# KiCad board first_keyboard.kicad_pcb (continued)
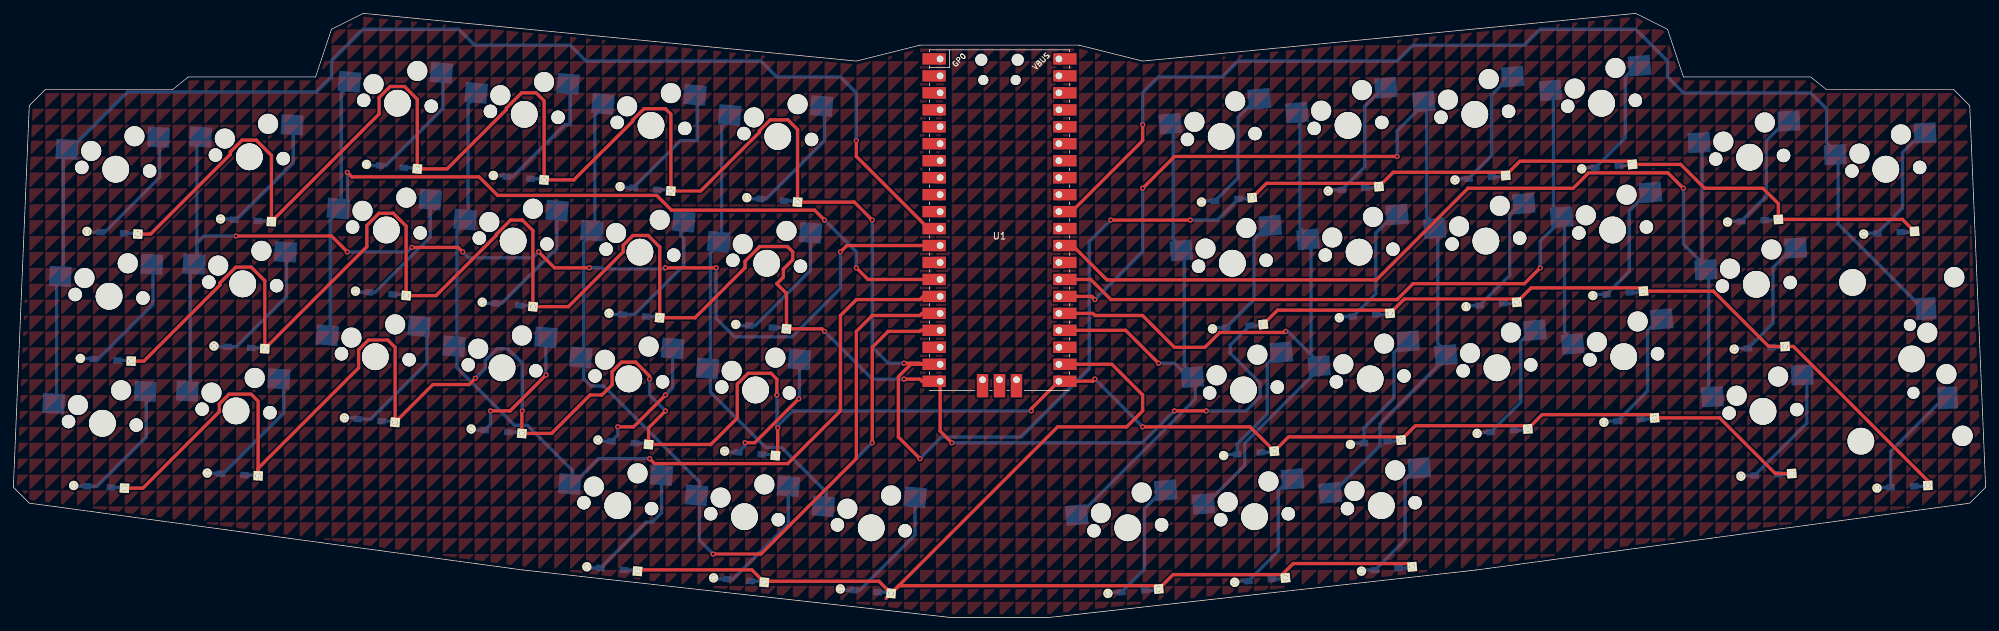
[diagram p0: board, top side]
## Copper pours and planes (outline as drawn; the poured copper is in the pictures) (continued)
(no net) on Top, Bottom: 300.04,33.34 300.04,30.96 302.42,33.34
(no net) on Top, Bottom: 61.91,147.64 61.91,145.26 64.29,147.64
(no net) on Top, Bottom: 52.39,-38.1 52.39,-40.48 54.77,-38.1
(no net) on Top, Bottom: 121.44,107.16 121.44,104.78 123.83,107.16
(no net) on Top, Bottom: 100.01,83.34 100.01,80.96 102.39,83.34
(no net) on Top, Bottom: 204.79,35.72 204.79,33.34 207.17,35.72
(no net) on Top, Bottom: 247.65,128.59 247.65,126.21 250.03,128.59
(no net) on Top, Bottom: 195.26,-16.67 195.26,-19.05 197.64,-16.67
(no net) on Top, Bottom: 9.53,-21.43 9.53,-23.81 11.91,-21.43
(no net) on Top, Bottom: 90.49,73.82 90.49,71.44 92.87,73.82
(no net) on Top, Bottom: 85.73,-14.29 85.73,-16.67 88.11,-14.29
(no net) on Top, Bottom: 211.93,42.86 211.93,40.48 214.31,42.86
(no net) on Top, Bottom: 250.03,104.78 250.03,102.39 252.41,104.78
(no net) on Top, Bottom: 35.72,128.59 35.72,126.21 38.1,128.59
(no net) on Top, Bottom: 2.38,42.86 2.38,40.48 4.76,42.86
(no net) on Top, Bottom: 207.17,92.87 207.17,90.49 209.55,92.87
(no net) on Top, Bottom: 202.41,59.53 202.41,57.15 204.79,59.53
(no net) on Top, Bottom: 154.78,142.88 154.78,140.49 157.16,142.88
(no net) on Top, Bottom: 197.64,14.29 197.64,11.91 200.02,14.29
(no net) on Top, Bottom: 2.38,-30.96 2.38,-33.34 4.76,-30.96
(no net) on Top, Bottom: 304.8,90.49 304.8,88.11 307.18,90.49
(no net) on Top, Bottom: 183.36,145.26 183.36,142.88 185.74,145.26
(no net) on Top, Bottom: 290.51,90.49 290.51,88.11 292.89,90.49
(no net) on Top, Bottom: 216.69,21.43 216.69,19.05 219.07,21.43
(no net) on Top, Bottom: 69.06,123.83 69.06,121.44 71.44,123.83
(no net) on Top, Bottom: 254.79,95.25 254.79,92.87 257.18,95.25
(no net) on Top, Bottom: 85.73,40.48 85.73,38.1 88.11,40.48
(no net) on Top, Bottom: 102.39,2.38 102.39,0 104.77,2.38
(no net) on Top, Bottom: 240.51,133.35 240.51,130.97 242.89,133.35
(no net) on Top, Bottom: 78.58,114.3 78.58,111.92 80.96,114.3
(no net) on Top, Bottom: 171.45,11.91 171.45,9.53 173.83,11.91
(no net) on Top, Bottom: 111.92,16.67 111.92,14.29 114.3,16.67
(no net) on Top, Bottom: 7.14,-2.38 7.14,-4.76 9.53,-2.38
(no net) on Top, Bottom: 38.1,138.11 38.1,135.73 40.48,138.11
(no net) on Top, Bottom: 130.97,138.11 130.97,135.73 133.35,138.11
(no net) on Top, Bottom: 76.2,47.62 76.2,45.24 78.58,47.62
(no net) on Top, Bottom: 78.58,104.78 78.58,102.39 80.96,104.78
(no net) on Top, Bottom: 159.54,2.38 159.54,0 161.93,2.38
(no net) on Top, Bottom: 83.34,123.83 83.34,121.44 85.73,123.83
(no net) on Top, Bottom: 230.98,73.82 230.98,71.44 233.36,73.82
(no net) on Top, Bottom: 297.66,-26.19 297.66,-28.57 300.04,-26.19
(no net) on Top, Bottom: 14.29,78.58 14.29,76.2 16.67,78.58
(no net) on Top, Bottom: 242.89,97.63 242.89,95.25 245.27,97.63
(no net) on Top, Bottom: 35.72,-23.81 35.72,-26.19 38.1,-23.81
(no net) on Top, Bottom: 302.42,121.44 302.42,119.06 304.8,121.44
(no net) on Top, Bottom: 121.44,4.76 121.44,2.38 123.83,4.76
(no net) on Top, Bottom: 64.29,78.58 64.29,76.2 66.67,78.58
(no net) on Top, Bottom: 97.63,-7.14 97.63,-9.53 100.01,-7.14
(no net) on Top, Bottom: 104.77,14.29 104.77,11.91 107.16,14.29
(no net) on Top, Bottom: 71.44,135.73 71.44,133.35 73.82,135.73
(no net) on Top, Bottom: 14.29,-23.81 14.29,-26.19 16.67,-23.81
(no net) on Top, Bottom: 92.87,88.11 92.87,85.72 95.25,88.11
(no net) on Top, Bottom: 209.55,-23.81 209.55,-26.19 211.93,-23.81
(no net) on Top, Bottom: 45.24,97.63 45.24,95.25 47.62,97.63
(no net) on Top, Bottom: 126.21,142.88 126.21,140.49 128.59,142.88
(no net) on Top, Bottom: 45.24,14.29 45.24,11.91 47.62,14.29
(no net) on Top, Bottom: 14.29,76.2 14.29,73.82 16.67,76.2
(no net) on Top, Bottom: 238.12,126.21 238.12,123.83 240.51,126.21
(no net) on Top, Bottom: 252.41,135.73 252.41,133.35 254.79,135.73
(no net) on Top, Bottom: 276.22,150.02 276.22,147.64 278.61,150.02
(no net) on Top, Bottom: 104.77,119.06 104.77,116.68 107.16,119.06
(no net) on Top, Bottom: 190.5,2.38 190.5,0 192.88,2.38
(no net) on Top, Bottom: 292.89,100.01 292.89,97.63 295.27,100.01
(no net) on Top, Bottom: 166.69,116.68 166.69,114.3 169.07,116.68
(no net) on Top, Bottom: 107.16,59.53 107.16,57.15 109.54,59.53
(no net) on Top, Bottom: 202.41,-23.81 202.41,-26.19 204.79,-23.81
(no net) on Top, Bottom: 85.73,-16.67 85.73,-19.05 88.11,-16.67
(no net) on Top, Bottom: 188.12,150.02 188.12,147.64 190.5,150.02
(no net) on Top, Bottom: 61.91,135.73 61.91,133.35 64.29,135.73
(no net) on Top, Bottom: 50.01,19.05 50.01,16.67 52.39,19.05
(no net) on Top, Bottom: 240.51,-33.34 240.51,-35.72 242.89,-33.34
(no net) on Top, Bottom: 197.64,80.96 197.64,78.58 200.02,80.96
(no net) on Top, Bottom: 223.84,76.2 223.84,73.82 226.22,76.2
(no net) on Top, Bottom: 95.25,16.67 95.25,14.29 97.63,16.67
(no net) on Top, Bottom: 252.41,90.49 252.41,88.11 254.79,90.49
(no net) on Top, Bottom: 188.12,73.82 188.12,71.44 190.5,73.82
(no net) on Top, Bottom: 257.18,147.64 257.18,145.26 259.56,147.64
(no net) on Top, Bottom: 80.96,-23.81 80.96,-26.19 83.34,-23.81
(no net) on Top, Bottom: 200.02,35.72 200.02,33.34 202.41,35.72
(no net) on Top, Bottom: 223.84,50.01 223.84,47.62 226.22,50.01
(no net) on Top, Bottom: 140.49,59.53 140.49,57.15 142.88,59.53
(no net) on Top, Bottom: 111.92,104.78 111.92,102.39 114.3,104.78
(no net) on Top, Bottom: 119.06,123.83 119.06,121.44 121.44,123.83
(no net) on Top, Bottom: 133.35,76.2 133.35,73.82 135.73,76.2
(no net) on Top, Bottom: 164.31,107.16 164.31,104.78 166.69,107.16
(no net) on Top, Bottom: 207.17,30.96 207.17,28.57 209.55,30.96
(no net) on Top, Bottom: 202.41,-19.05 202.41,-21.43 204.79,-19.05
(no net) on Top, Bottom: 219.07,76.2 219.07,73.82 221.46,76.2
(no net) on Top, Bottom: 292.89,121.44 292.89,119.06 295.27,121.44
(no net) on Top, Bottom: 176.21,-14.29 176.21,-16.67 178.59,-14.29
(no net) on Top, Bottom: 95.25,107.16 95.25,104.78 97.63,107.16
(no net) on Top, Bottom: 240.51,7.14 240.51,4.76 242.89,7.14
(no net) on Top, Bottom: 54.77,50.01 54.77,47.62 57.15,50.01
(no net) on Top, Bottom: 161.93,47.62 161.93,45.24 164.31,47.62
(no net) on Top, Bottom: 278.61,21.43 278.61,19.05 280.99,21.43
(no net) on Top, Bottom: 133.35,21.43 133.35,19.05 135.73,21.43
(no net) on Top, Bottom: 150.02,119.06 150.02,116.68 152.4,119.06
(no net) on Top, Bottom: 45.24,57.15 45.24,54.77 47.62,57.15
(no net) on Top, Bottom: 288.13,-30.96 288.13,-33.34 290.51,-30.96
(no net) on Top, Bottom: 92.87,-14.29 92.87,-16.67 95.25,-14.29
(no net) on Top, Bottom: 45.24,121.44 45.24,119.06 47.62,121.44
(no net) on Top, Bottom: 192.88,38.1 192.88,35.72 195.26,38.1
(no net) on Top, Bottom: 69.06,40.48 69.06,38.1 71.44,40.48
(no net) on Top, Bottom: 178.59,-7.14 178.59,-9.53 180.98,-7.14
(no net) on Top, Bottom: 116.68,92.87 116.68,90.49 119.06,92.87
(no net) on Top, Bottom: 250.03,-26.19 250.03,-28.57 252.41,-26.19
(no net) on Top, Bottom: 252.41,83.34 252.41,80.96 254.79,83.34
(no net) on Top, Bottom: 26.19,111.92 26.19,109.54 28.58,111.92
(no net) on Top, Bottom: 245.27,14.29 245.27,11.91 247.65,14.29
(no net) on Top, Bottom: 211.93,90.49 211.93,88.11 214.31,90.49
(no net) on Top, Bottom: 280.99,78.58 280.99,76.2 283.37,78.58
(no net) on Top, Bottom: 280.99,80.96 280.99,78.58 283.37,80.96
(no net) on Top, Bottom: 76.2,71.44 76.2,69.06 78.58,71.44
(no net) on Top, Bottom: 66.67,142.88 66.67,140.49 69.06,142.88
(no net) on Top, Bottom: 216.69,16.67 216.69,14.29 219.07,16.67
(no net) on Top, Bottom: 130.97,116.68 130.97,114.3 133.35,116.68
(no net) on Top, Bottom: 100.01,109.54 100.01,107.16 102.39,109.54
(no net) on Top, Bottom: 171.45,121.44 171.45,119.06 173.83,121.44
(no net) on Top, Bottom: 250.03,71.44 250.03,69.06 252.41,71.44
(no net) on Top, Bottom: 292.89,85.72 292.89,83.34 295.27,85.72
(no net) on Top, Bottom: 283.37,40.48 283.37,38.1 285.75,40.48
(no net) on Top, Bottom: 169.07,71.44 169.07,69.06 171.45,71.44
(no net) on Top, Bottom: 130.97,61.91 130.97,59.53 133.35,61.91
(no net) on Top, Bottom: 197.64,35.72 197.64,33.34 200.02,35.72
(no net) on Top, Bottom: 157.16,47.62 157.16,45.24 159.54,47.62
(no net) on Top, Bottom: 66.67,135.73 66.67,133.35 69.06,135.73
(no net) on Top, Bottom: 76.2,109.54 76.2,107.16 78.58,109.54
(no net) on Top, Bottom: 285.75,121.44 285.75,119.06 288.13,121.44
(no net) on Top, Bottom: 119.06,109.54 119.06,107.16 121.44,109.54
(no net) on Top, Bottom: 150.02,7.14 150.02,4.76 152.4,7.14
(no net) on Top, Bottom: 266.7,-14.29 266.7,-16.67 269.08,-14.29
(no net) on Top, Bottom: 97.63,90.49 97.63,88.11 100.01,90.49
(no net) on Top, Bottom: 57.15,-16.67 57.15,-19.05 59.53,-16.67
(no net) on Top, Bottom: 180.98,28.57 180.98,26.19 183.36,28.57
(no net) on Top, Bottom: 202.41,14.29 202.41,11.91 204.79,14.29
(no net) on Top, Bottom: 128.59,35.72 128.59,33.34 130.97,35.72
(no net) on Top, Bottom: 130.97,109.54 130.97,107.16 133.35,109.54
(no net) on Top, Bottom: 166.69,-2.38 166.69,-4.76 169.07,-2.38
(no net) on Top, Bottom: 300.04,88.11 300.04,85.72 302.42,88.11
(no net) on Top, Bottom: 9.53,-16.67 9.53,-19.05 11.91,-16.67
(no net) on Top, Bottom: 114.3,76.2 114.3,73.82 116.68,76.2
(no net) on Top, Bottom: 250.03,-38.1 250.03,-40.48 252.41,-38.1
(no net) on Top, Bottom: 176.21,104.78 176.21,102.39 178.59,104.78
(no net) on Top, Bottom: 219.07,-2.38 219.07,-4.76 221.46,-2.38
(no net) on Top, Bottom: 304.8,140.49 304.8,138.11 307.18,140.49
(no net) on Top, Bottom: 257.18,-14.29 257.18,-16.67 259.56,-14.29
(no net) on Top, Bottom: 200.02,4.76 200.02,2.38 202.41,4.76
(no net) on Top, Bottom: 280.99,66.68 280.99,64.29 283.37,66.68
(no net) on Top, Bottom: 295.27,30.96 295.27,28.57 297.66,30.96
(no net) on Top, Bottom: 11.91,-4.76 11.91,-7.14 14.29,-4.76
(no net) on Top, Bottom: 11.91,47.62 11.91,45.24 14.29,47.62
(no net) on Top, Bottom: 135.73,7.14 135.73,4.76 138.11,7.14
(no net) on Top, Bottom: 80.96,92.87 80.96,90.49 83.34,92.87
(no net) on Top, Bottom: 111.92,0 111.92,-2.38 114.3,0
(no net) on Top, Bottom: 221.46,69.06 221.46,66.68 223.84,69.06
(no net) on Top, Bottom: 288.13,-9.53 288.13,-11.91 290.51,-9.53
(no net) on Top, Bottom: 40.48,30.96 40.48,28.57 42.86,30.96
(no net) on Top, Bottom: 292.89,142.88 292.89,140.49 295.27,142.88
(no net) on Top, Bottom: 140.49,-21.43 140.49,-23.81 142.88,-21.43
(no net) on Top, Bottom: 228.6,42.86 228.6,40.48 230.98,42.86
(no net) on Top, Bottom: 42.86,80.96 42.86,78.58 45.24,80.96
(no net) on Top, Bottom: 157.16,76.2 157.16,73.82 159.54,76.2
(no net) on Top, Bottom: 100.01,42.86 100.01,40.48 102.39,42.86
(no net) on Top, Bottom: 271.46,100.01 271.46,97.63 273.84,100.01
(no net) on Top, Bottom: 2.38,0 2.38,-2.38 4.76,0
(no net) on Top, Bottom: 97.63,54.77 97.63,52.39 100.01,54.77
(no net) on Top, Bottom: 47.62,16.67 47.62,14.29 50.01,16.67
(no net) on Top, Bottom: 183.36,73.82 183.36,71.44 185.74,73.82
(no net) on Top, Bottom: 266.7,-35.72 266.7,-38.1 269.08,-35.72
(no net) on Top, Bottom: 185.74,121.44 185.74,119.06 188.12,121.44
(no net) on Top, Bottom: 195.26,30.96 195.26,28.57 197.64,30.96
(no net) on Top, Bottom: 180.98,85.72 180.98,83.34 183.36,85.72
(no net) on Top, Bottom: 21.43,-9.53 21.43,-11.91 23.81,-9.53
(no net) on Top, Bottom: 285.75,38.1 285.75,35.72 288.13,38.1
(no net) on Top, Bottom: 111.92,23.81 111.92,21.43 114.3,23.81
(no net) on Top, Bottom: 216.69,11.91 216.69,9.53 219.07,11.91
(no net) on Top, Bottom: 214.31,-35.72 214.31,-38.1 216.69,-35.72
(no net) on Top, Bottom: 2.38,21.43 2.38,19.05 4.76,21.43
(no net) on Top, Bottom: 100.01,80.96 100.01,78.58 102.39,80.96
(no net) on Top, Bottom: 278.61,9.53 278.61,7.14 280.99,9.53
(no net) on Top, Bottom: 135.73,142.88 135.73,140.49 138.11,142.88
(no net) on Top, Bottom: 14.29,109.54 14.29,107.16 16.67,109.54
(no net) on Top, Bottom: 50.01,92.87 50.01,90.49 52.39,92.87
(no net) on Top, Bottom: 102.39,54.77 102.39,52.39 104.77,54.77
(no net) on Top, Bottom: 259.56,123.83 259.56,121.44 261.94,123.83
(no net) on Top, Bottom: 264.32,-19.05 264.32,-21.43 266.7,-19.05
(no net) on Top, Bottom: 304.8,-11.91 304.8,-14.29 307.18,-11.91
(no net) on Top, Bottom: 100.01,-33.34 100.01,-35.72 102.39,-33.34
(no net) on Top, Bottom: 66.67,150.02 66.67,147.64 69.06,150.02
(no net) on Top, Bottom: 145.26,128.59 145.26,126.21 147.64,128.59
(no net) on Top, Bottom: 88.11,-9.53 88.11,-11.91 90.49,-9.53
(no net) on Top, Bottom: 295.27,40.48 295.27,38.1 297.66,40.48
(no net) on Top, Bottom: 140.49,-11.91 140.49,-14.29 142.88,-11.91
(no net) on Top, Bottom: 14.29,116.68 14.29,114.3 16.67,116.68
(no net) on Top, Bottom: 28.58,-19.05 28.58,-21.43 30.96,-19.05
(no net) on Top, Bottom: 247.65,104.78 247.65,102.39 250.03,104.78
(no net) on Top, Bottom: 269.08,26.19 269.08,23.81 271.46,26.19
(no net) on Top, Bottom: 161.93,14.29 161.93,11.91 164.31,14.29
(no net) on Top, Bottom: 257.18,-28.57 257.18,-30.96 259.56,-28.57
(no net) on Top, Bottom: 7.14,35.72 7.14,33.34 9.53,35.72
(no net) on Top, Bottom: 78.58,90.49 78.58,88.11 80.96,90.49
(no net) on Top, Bottom: 135.73,-23.81 135.73,-26.19 138.11,-23.81
(no net) on Top, Bottom: 280.99,57.15 280.99,54.77 283.37,57.15
(no net) on Top, Bottom: 119.06,40.48 119.06,38.1 121.44,40.48
(no net) on Top, Bottom: 157.16,-11.91 157.16,-14.29 159.54,-11.91
(no net) on Top, Bottom: 273.84,57.15 273.84,54.77 276.22,57.15
(no net) on Top, Bottom: 28.58,-28.57 28.58,-30.96 30.96,-28.57
(no net) on Top, Bottom: 78.58,140.49 78.58,138.11 80.96,140.49
(no net) on Top, Bottom: 278.61,76.2 278.61,73.82 280.99,76.2
(no net) on Top, Bottom: 290.51,135.73 290.51,133.35 292.89,135.73
(no net) on Top, Bottom: 252.41,150.02 252.41,147.64 254.79,150.02
(no net) on Top, Bottom: 9.53,102.39 9.53,100.01 11.91,102.39
(no net) on Top, Bottom: 297.66,40.48 297.66,38.1 300.04,40.48
(no net) on Top, Bottom: 76.2,35.72 76.2,33.34 78.58,35.72
(no net) on Top, Bottom: 23.81,85.72 23.81,83.34 26.19,85.72
(no net) on Top, Bottom: 135.73,57.15 135.73,54.77 138.11,57.15
(no net) on Top, Bottom: 21.43,100.01 21.43,97.63 23.81,100.01
(no net) on Top, Bottom: 64.29,100.01 64.29,97.63 66.67,100.01
(no net) on Top, Bottom: 242.89,142.88 242.89,140.49 245.27,142.88
(no net) on Top, Bottom: 300.04,19.05 300.04,16.67 302.42,19.05
(no net) on Top, Bottom: 128.59,100.01 128.59,97.63 130.97,100.01
(no net) on Top, Bottom: 76.2,21.43 76.2,19.05 78.58,21.43
(no net) on Top, Bottom: 116.68,35.72 116.68,33.34 119.06,35.72
(no net) on Top, Bottom: 30.96,7.14 30.96,4.76 33.34,7.14
(no net) on Top, Bottom: 38.1,7.14 38.1,4.76 40.48,7.14
(no net) on Top, Bottom: 221.46,114.3 221.46,111.92 223.84,114.3
(no net) on Top, Bottom: 145.26,-14.29 145.26,-16.67 147.64,-14.29
(no net) on Top, Bottom: 185.74,83.34 185.74,80.96 188.12,83.34
(no net) on Top, Bottom: 164.31,42.86 164.31,40.48 166.69,42.86
(no net) on Top, Bottom: 300.04,-30.96 300.04,-33.34 302.42,-30.96
(no net) on Top, Bottom: 80.96,126.21 80.96,123.83 83.34,126.21
(no net) on Top, Bottom: 152.4,80.96 152.4,78.58 154.78,80.96
(no net) on Top, Bottom: 252.41,-14.29 252.41,-16.67 254.79,-14.29
(no net) on Top, Bottom: 183.36,-38.1 183.36,-40.48 185.74,-38.1
(no net) on Top, Bottom: 73.82,-21.43 73.82,-23.81 76.2,-21.43
(no net) on Top, Bottom: 154.78,-26.19 154.78,-28.57 157.16,-26.19
(no net) on Top, Bottom: 211.93,7.14 211.93,4.76 214.31,7.14
(no net) on Top, Bottom: 119.06,30.96 119.06,28.57 121.44,30.96
(no net) on Top, Bottom: 52.39,119.06 52.39,116.68 54.77,119.06
(no net) on Top, Bottom: 40.48,11.91 40.48,9.53 42.86,11.91
(no net) on Top, Bottom: 288.13,-23.81 288.13,-26.19 290.51,-23.81
(no net) on Top, Bottom: 242.89,138.11 242.89,135.73 245.27,138.11
(no net) on Top, Bottom: 126.21,26.19 126.21,23.81 128.59,26.19
(no net) on Top, Bottom: 164.31,138.11 164.31,135.73 166.69,138.11
(no net) on Top, Bottom: 221.46,45.24 221.46,42.86 223.84,45.24
(no net) on Top, Bottom: 230.98,90.49 230.98,88.11 233.36,90.49
(no net) on Top, Bottom: 133.35,150.02 133.35,147.64 135.73,150.02
(no net) on Top, Bottom: 9.53,26.19 9.53,23.81 11.91,26.19
(no net) on Top, Bottom: 283.37,19.05 283.37,16.67 285.75,19.05
(no net) on Top, Bottom: 240.51,-38.1 240.51,-40.48 242.89,-38.1
(no net) on Top, Bottom: 223.84,-30.96 223.84,-33.34 226.22,-30.96
(no net) on Top, Bottom: 11.91,42.86 11.91,40.48 14.29,42.86
(no net) on Top, Bottom: 123.83,45.24 123.83,42.86 126.21,45.24
(no net) on Top, Bottom: 50.01,104.78 50.01,102.39 52.39,104.78
(no net) on Top, Bottom: 171.45,-14.29 171.45,-16.67 173.83,-14.29
(no net) on Top, Bottom: 90.49,52.39 90.49,50.01 92.87,52.39
(no net) on Top, Bottom: 135.73,-9.53 135.73,-11.91 138.11,-9.53
(no net) on Top, Bottom: 104.77,-28.57 104.77,-30.96 107.16,-28.57
(no net) on Top, Bottom: 14.29,-11.91 14.29,-14.29 16.67,-11.91
(no net) on Top, Bottom: 240.51,-2.38 240.51,-4.76 242.89,-2.38
(no net) on Top, Bottom: 95.25,142.88 95.25,140.49 97.63,142.88
(no net) on Top, Bottom: 104.77,-14.29 104.77,-16.67 107.16,-14.29
(no net) on Top, Bottom: 83.34,145.26 83.34,142.88 85.73,145.26
(no net) on Top, Bottom: 180.98,4.76 180.98,2.38 183.36,4.76
(no net) on Top, Bottom: 23.81,64.29 23.81,61.91 26.19,64.29
(no net) on Top, Bottom: 154.78,102.39 154.78,100.01 157.16,102.39
(no net) on Top, Bottom: 159.54,150.02 159.54,147.64 161.93,150.02
(no net) on Top, Bottom: 130.97,-11.91 130.97,-14.29 133.35,-11.91
(no net) on Top, Bottom: 114.3,26.19 114.3,23.81 116.68,26.19
(no net) on Top, Bottom: 233.36,59.53 233.36,57.15 235.74,59.53
(no net) on Top, Bottom: 233.36,145.26 233.36,142.88 235.74,145.26
(no net) on Top, Bottom: 119.06,59.53 119.06,57.15 121.44,59.53
(no net) on Top, Bottom: 276.22,40.48 276.22,38.1 278.61,40.48
(no net) on Top, Bottom: 114.3,-26.19 114.3,-28.57 116.68,-26.19
(no net) on Top, Bottom: 33.34,54.77 33.34,52.39 35.72,54.77
(no net) on Top, Bottom: 204.79,109.54 204.79,107.16 207.17,109.54
(no net) on Top, Bottom: 59.53,90.49 59.53,88.11 61.91,90.49
(no net) on Top, Bottom: 19.05,35.72 19.05,33.34 21.43,35.72
(no net) on Top, Bottom: 90.49,-4.76 90.49,-7.14 92.87,-4.76
(no net) on Top, Bottom: 33.34,88.11 33.34,85.72 35.72,88.11
(no net) on Top, Bottom: 28.58,21.43 28.58,19.05 30.96,21.43
(no net) on Top, Bottom: 126.21,71.44 126.21,69.06 128.59,71.44
(no net) on Top, Bottom: 238.12,-11.91 238.12,-14.29 240.51,-11.91
(no net) on Top, Bottom: 297.66,107.16 297.66,104.78 300.04,107.16
(no net) on Top, Bottom: 254.79,111.92 254.79,109.54 257.18,111.92
(no net) on Top, Bottom: 169.07,40.48 169.07,38.1 171.45,40.48
(no net) on Top, Bottom: 192.88,28.57 192.88,26.19 195.26,28.57
(no net) on Top, Bottom: 64.29,30.96 64.29,28.57 66.67,30.96
(no net) on Top, Bottom: 295.27,4.76 295.27,2.38 297.66,4.76
(no net) on Top, Bottom: 85.73,128.59 85.73,126.21 88.11,128.59
(no net) on Top, Bottom: 178.59,-11.91 178.59,-14.29 180.98,-11.91
(no net) on Top, Bottom: 88.11,138.11 88.11,135.73 90.49,138.11
(no net) on Top, Bottom: 123.83,-38.1 123.83,-40.48 126.21,-38.1
(no net) on Top, Bottom: 7.14,78.58 7.14,76.2 9.53,78.58
(no net) on Top, Bottom: 88.11,-21.43 88.11,-23.81 90.49,-21.43
(no net) on Top, Bottom: 0,-21.43 0,-23.81 2.38,-21.43
(no net) on Top, Bottom: 71.44,150.02 71.44,147.64 73.82,150.02
(no net) on Top, Bottom: 142.88,38.1 142.88,35.72 145.26,38.1
(no net) on Top, Bottom: 200.02,61.91 200.02,59.53 202.41,61.91
(no net) on Top, Bottom: 250.03,130.97 250.03,128.59 252.41,130.97
(no net) on Top, Bottom: 19.05,-26.19 19.05,-28.57 21.43,-26.19
(no net) on Top, Bottom: 135.73,61.91 135.73,59.53 138.11,61.91
(no net) on Top, Bottom: 59.53,4.76 59.53,2.38 61.91,4.76
(no net) on Top, Bottom: 73.82,7.14 73.82,4.76 76.2,7.14
(no net) on Top, Bottom: 204.79,23.81 204.79,21.43 207.17,23.81
(no net) on Top, Bottom: 288.13,95.25 288.13,92.87 290.51,95.25
(no net) on Top, Bottom: 295.27,-14.29 295.27,-16.67 297.66,-14.29
(no net) on Top, Bottom: 21.43,59.53 21.43,57.15 23.81,59.53
(no net) on Top, Bottom: 116.68,-30.96 116.68,-33.34 119.06,-30.96
(no net) on Top, Bottom: 300.04,128.59 300.04,126.21 302.42,128.59
(no net) on Top, Bottom: 80.96,-35.72 80.96,-38.1 83.34,-35.72
(no net) on Top, Bottom: 197.64,150.02 197.64,147.64 200.02,150.02
(no net) on Top, Bottom: 140.49,80.96 140.49,78.58 142.88,80.96
(no net) on Top, Bottom: 254.79,114.3 254.79,111.92 257.18,114.3
(no net) on Top, Bottom: 16.67,57.15 16.67,54.77 19.05,57.15
(no net) on Top, Bottom: 211.93,83.34 211.93,80.96 214.31,83.34
(no net) on Top, Bottom: 238.12,73.82 238.12,71.44 240.51,73.82
(no net) on Top, Bottom: 200.02,90.49 200.02,88.11 202.41,90.49
(no net) on Top, Bottom: 266.7,150.02 266.7,147.64 269.08,150.02
(no net) on Top, Bottom: 109.54,-4.76 109.54,-7.14 111.92,-4.76
(no net) on Top, Bottom: 271.46,126.21 271.46,123.83 273.84,126.21
(no net) on Top, Bottom: 76.2,126.21 76.2,123.83 78.58,126.21
(no net) on Top, Bottom: 133.35,-2.38 133.35,-4.76 135.73,-2.38
(no net) on Top, Bottom: 7.14,-4.76 7.14,-7.14 9.53,-4.76
(no net) on Top, Bottom: 121.44,11.91 121.44,9.53 123.83,11.91
(no net) on Top, Bottom: 221.46,28.57 221.46,26.19 223.84,28.57
(no net) on Top, Bottom: 166.69,26.19 166.69,23.81 169.07,26.19
(no net) on Top, Bottom: 19.05,-21.43 19.05,-23.81 21.43,-21.43
(no net) on Top, Bottom: 247.65,47.62 247.65,45.24 250.03,47.62
(no net) on Top, Bottom: 223.84,138.11 223.84,135.73 226.22,138.11
(no net) on Top, Bottom: 35.72,-19.05 35.72,-21.43 38.1,-19.05
(no net) on Top, Bottom: 40.48,73.82 40.48,71.44 42.86,73.82
(no net) on Top, Bottom: 14.29,90.49 14.29,88.11 16.67,90.49
(no net) on Top, Bottom: 100.01,21.43 100.01,19.05 102.39,21.43
(no net) on Top, Bottom: 9.53,23.81 9.53,21.43 11.91,23.81
(no net) on Top, Bottom: 88.11,130.97 88.11,128.59 90.49,130.97
(no net) on Top, Bottom: 266.7,52.39 266.7,50.01 269.08,52.39
(no net) on Top, Bottom: 76.2,97.63 76.2,95.25 78.58,97.63
(no net) on Top, Bottom: 116.68,142.88 116.68,140.49 119.06,142.88
(no net) on Top, Bottom: 221.46,73.82 221.46,71.44 223.84,73.82
(no net) on Top, Bottom: 42.86,-11.91 42.86,-14.29 45.24,-11.91
(no net) on Top, Bottom: 109.54,116.68 109.54,114.3 111.92,116.68
(no net) on Top, Bottom: 178.59,23.81 178.59,21.43 180.98,23.81
(no net) on Top, Bottom: 304.8,-9.53 304.8,-11.91 307.18,-9.53
(no net) on Top, Bottom: 183.36,121.44 183.36,119.06 185.74,121.44
(no net) on Top, Bottom: 178.59,128.59 178.59,126.21 180.98,128.59
(no net) on Top, Bottom: 157.16,119.06 157.16,116.68 159.54,119.06
(no net) on Top, Bottom: 238.12,83.34 238.12,80.96 240.51,83.34
(no net) on Top, Bottom: 76.2,-26.19 76.2,-28.57 78.58,-26.19
(no net) on Top, Bottom: 259.56,104.78 259.56,102.39 261.94,104.78
(no net) on Top, Bottom: 204.79,78.58 204.79,76.2 207.17,78.58
(no net) on Top, Bottom: 169.07,135.73 169.07,133.35 171.45,135.73
(no net) on Top, Bottom: 280.99,111.92 280.99,109.54 283.37,111.92
(no net) on Top, Bottom: 278.61,150.02 278.61,147.64 280.99,150.02
(no net) on Top, Bottom: 221.46,-30.96 221.46,-33.34 223.84,-30.96
(no net) on Top, Bottom: 276.22,-26.19 276.22,-28.57 278.61,-26.19
(no net) on Top, Bottom: 240.51,123.83 240.51,121.44 242.89,123.83
(no net) on Top, Bottom: 107.16,138.11 107.16,135.73 109.54,138.11
(no net) on Top, Bottom: 235.74,64.29 235.74,61.91 238.12,64.29
(no net) on Top, Bottom: 230.98,-33.34 230.98,-35.72 233.36,-33.34
(no net) on Top, Bottom: 26.19,-11.91 26.19,-14.29 28.58,-11.91
(no net) on Top, Bottom: 119.06,102.39 119.06,100.01 121.44,102.39
(no net) on Top, Bottom: 102.39,135.73 102.39,133.35 104.77,135.73
(no net) on Top, Bottom: 280.99,54.77 280.99,52.39 283.37,54.77
(no net) on Top, Bottom: 242.89,107.16 242.89,104.78 245.27,107.16
(no net) on Top, Bottom: 161.93,142.88 161.93,140.49 164.31,142.88
(no net) on Top, Bottom: 66.67,102.39 66.67,100.01 69.06,102.39
(no net) on Top, Bottom: 152.4,-2.38 152.4,-4.76 154.78,-2.38
(no net) on Top, Bottom: 64.29,-16.67 64.29,-19.05 66.67,-16.67
(no net) on Top, Bottom: 180.98,83.34 180.98,80.96 183.36,83.34
(no net) on Top, Bottom: 166.69,42.86 166.69,40.48 169.07,42.86
(no net) on Top, Bottom: 35.72,102.39 35.72,100.01 38.1,102.39
(no net) on Top, Bottom: 157.16,21.43 157.16,19.05 159.54,21.43
(no net) on Top, Bottom: 116.68,7.14 116.68,4.76 119.06,7.14
(no net) on Top, Bottom: 259.56,80.96 259.56,78.58 261.94,80.96
(no net) on Top, Bottom: 261.94,90.49 261.94,88.11 264.32,90.49
(no net) on Top, Bottom: 290.51,85.72 290.51,83.34 292.89,85.72
(no net) on Top, Bottom: 78.58,14.29 78.58,11.91 80.96,14.29
(no net) on Top, Bottom: 123.83,69.06 123.83,66.68 126.21,69.06
(no net) on Top, Bottom: 147.64,71.44 147.64,69.06 150.02,71.44
(no net) on Top, Bottom: 276.22,80.96 276.22,78.58 278.61,80.96
(no net) on Top, Bottom: 57.15,47.62 57.15,45.24 59.53,47.62
(no net) on Top, Bottom: 140.49,150.02 140.49,147.64 142.88,150.02
(no net) on Top, Bottom: 188.12,104.78 188.12,102.39 190.5,104.78
(no net) on Top, Bottom: 264.32,52.39 264.32,50.01 266.7,52.39
(no net) on Top, Bottom: 192.88,4.76 192.88,2.38 195.26,4.76
(no net) on Top, Bottom: 178.59,50.01 178.59,47.62 180.98,50.01
(no net) on Top, Bottom: 69.06,38.1 69.06,35.72 71.44,38.1
(no net) on Top, Bottom: 219.07,121.44 219.07,119.06 221.46,121.44
(no net) on Top, Bottom: 30.96,2.38 30.96,0 33.34,2.38